# KiCad board Keyboard.kicad_pcb (continued)
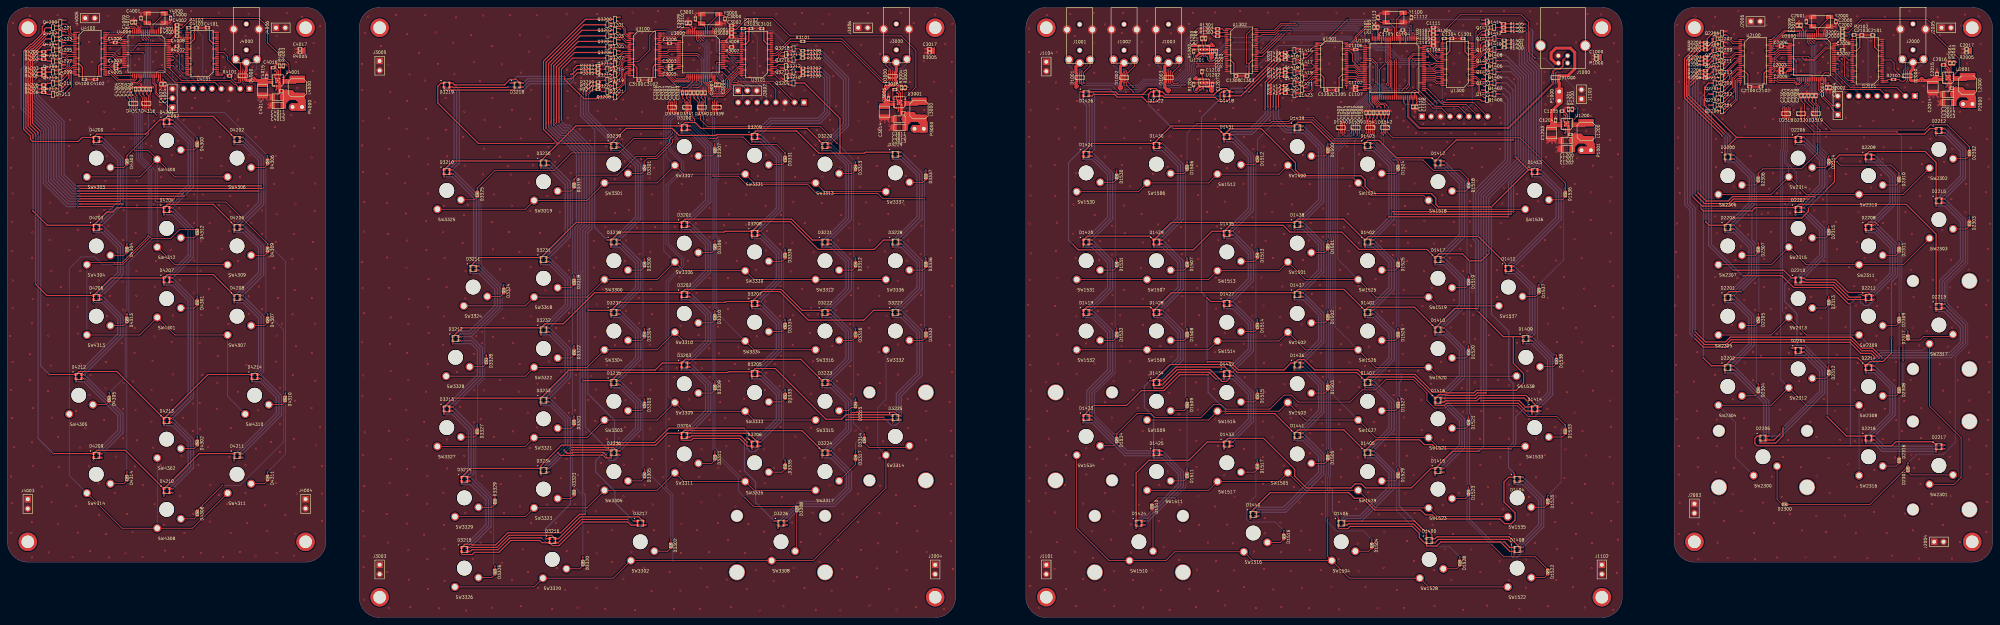
[diagram p0: board, top side]
## Routing (per net, layer and track width the routed paths; a pad name or vN(x,y) marks a point on that pad's centre or on a via; arc(x,y) is an arc through that point) (continued)
  Bottom w0.2: v2(192.05,149.55) 192.05,146.8 193.4,145.45 193.4,142.25 192.65,141.5 192.45,141.5 v2(190.95,140) ; SW3334.1 192.03,81.98 192.03,83.45 191.53,83.95 191.53,100.85 192.12,101.45 192.12,102.45 191.53,103.05 191.53,118.05 192.03,118.55 192.03,129.25 190.9,130.38 v2(190.9,135.9)
/Keyboard-Left/KeyMatrix-Left/KC6: length 226.4
  Top w0.2: U3000.52 v2(191.5,150.05) ; v2(190.4,136.5) 190.4,136.8 190.5,136.9 D3339.6 D3339.5 190.5,139.1 190.4,139.2 v2(190.4,139.5) ; SW3329.1 139.84,27.29 SW3323.1 156.46,29.67 SW3305.1 175.46,34.42 SW3311.1 182.59,36.79 SW3335.1 201.59,34.42 SW3317.1
  Bottom w0.2: v2(191.5,150.05) 191.5,146.6 192.9,145.2 192.9,142.55 192.35,142 192.15,142 190.4,140.25 v2(190.4,139.5) ; v2(190.4,136.5) 190.4,130.18 191.53,129.05 191.53,118.75 191.03,118.25 191.03,102.75 191.62,102.15 191.62,101.75 191.03,101.15 191.03,83.75 191.53,83.25 191.53,82.65 191.03,82.15 191.03,64.75 191.53,64.25 191.53,63.65 191.03,63.15 191.03,45.85 191.62,45.25 191.62,44.38 SW3335.1
/Keyboard-Left/KeyMatrix-Left/KR1: length 159.4
  Top w0.2: v2(188,156.65) 187.5,157.15 U3000.8 ; 188.35,141.35 v2(188.35,140.55) 188.5,140.4 D3340.6 D3340.5 188.5,137 188.6,136.9 v2(188.6,136.5) ; v2(172,40.15) D3305.1 ; v2(179.12,21.18) D3302.1 ; v2(172,78.15) D3304.1 ; D3301.1 v2(172,123.35) 172.8,124.15 175.32,124.15 179.57,128.4 v2(179.57,129.18) ; v2(172,97.15) D3300.1 ; v2(172,59.15) D3303.1
  Bottom w0.2: v2(188.35,140.55) 189.7,141.9 189.7,144.5 189.5,144.7 189.5,151.57 189.5,155.15 v2(188,156.65) ; v2(179.57,129.18) 179.68,129.18 180.57,130.07 180.57,130.9 184.72,135.05 187.15,135.05 v2(188.6,136.5) ; v2(172,123.35) 171.6,122.95 171.6,97.55 v2(172,97.15) 171.6,96.75 171.6,78.55 v2(172,78.15) 171.6,77.75 171.6,59.55 v2(172,59.15) 171.6,58.75 171.6,40.55 v2(172,40.15) 179.12,33.03 v2(179.12,21.18)
/Keyboard-Left/KeyMatrix-Left/KR2: length 155.1
  Top w0.2: v2(187.8,156.05) 187,156.85 U3000.9 ; 187.35,141.35 v2(187.35,140.55) 188.1,139.8 188.1,139.3 188,139.2 D3340.7 D3340.4 188,136.8 188.1,136.7 188.1,136.2 188,136.1 v2(188,134.7) ; v2(191,101.95) D3306.1 ; v2(191,63.95) D3309.1 ; D3308.1 201.5,30.04 v2(199.2,32.35) ; D3307.1 v2(191,128.05) ; v2(191,82.95) D3310.1 ; v2(191,44.95) D3311.1
  Bottom w0.2: v2(188,134.7) 188,131.88 191,128.88 v2(191,128.05) 191,119.67 191.12,119.55 191.12,119.05 190.5,118.42 190.5,102.45 v2(191,101.95) 190.5,101.45 190.5,83.45 v2(191,82.95) 190.5,82.45 190.5,64.45 v2(191,63.95) 190.5,63.45 190.5,45.45 v2(191,44.95) 191,44.18 197.32,37.85 197.32,34.22 v2(199.2,32.35) ; v2(187.8,156.05) 189.1,154.75 189.1,151.4 189.1,144.5 189.3,144.3 189.3,142.5 v2(187.35,140.55)
/Keyboard-Left/KeyMatrix-Left/KR3: length 161.4
  Top w0.2: v2(187.15,155.95) 186.5,156.6 U3000.10 ; 186.35,141.35 v2(186.35,140.55) 186.9,140 186.9,139.3 187,139.2 D3340.9 D3340.2 187,136.8 186.9,136.7 186.9,136.2 187.1,136 187.1,134.7 188.95,132.85 219.43,132.85 v2(224.03,128.25) ; v2(229,78.17) D3316.1 ; v2(229,97.17) D3312.1 ; v2(229,44.97) D3317.1 ; D3313.1 v2(229,123.28) ; v2(229,59.18) D3315.1 ; v2(231.38,49.68) D3314.1
  Bottom w0.2: v2(187.15,155.95) 188.7,154.4 188.7,151.05 188.7,144.3 188.9,144.1 188.9,142.75 188.25,142.1 187.9,142.1 v2(186.35,140.55) ; v2(229,44.97) 229,47.3 v2(231.38,49.68) 228.5,52.55 228.5,58.68 v2(229,59.18) 228.5,59.68 228.5,77.67 v2(229,78.17) 228.5,78.67 228.5,96.67 v2(229,97.17) 228.5,97.67 228.5,122.78 v2(229,123.28) v2(224.03,128.25)
/Keyboard-Left/KeyMatrix-Left/KR4: length 178.3
  Top w0.2: v2(186.4,155.95) 186,156.35 U3000.11 ; 185.35,141.35 v2(185.35,140.55) 186.5,139.4 D3340.10 D3340.1 v2(186.5,135.9) ; v2(153,92.45) D3318.1 ; v2(179.57,130.07) 178.78,129.28 178.78,128.4 175.03,124.65 169.72,124.65 164.72,119.65 154.1,119.65 v2(153,118.55) D3319.1 ; v2(155.38,16.43) D3320.1 ; v2(153,54.45) D3321.1 ; v2(153,73.45) D3322.1 ; v2(153,35.45) D3323.1
  Bottom w0.2: v2(185.35,140.55) 187.3,142.5 188.05,142.5 188.45,142.9 188.45,143.9 188.3,144.05 188.3,150.88 188.3,154.05 v2(186.4,155.95) ; v2(179.57,130.07) 180.12,130.62 180.12,131.25 184.43,135.55 186.15,135.55 v2(186.5,135.9) ; v2(155.38,16.43) 155.38,33.07 v2(153,35.45) 152.6,35.85 152.6,54.05 v2(153,54.45) 152.6,54.85 152.6,73.05 v2(153,73.45) 152.6,73.85 152.6,92.05 v2(153,92.45) 152.6,92.85 152.6,118.15 v2(153,118.55)
/Keyboard-Left/KeyMatrix-Left/KR5: length 207.9
  Top w0.2: v2(186.65,152.2) 186.3,152.55 U3000.24 ; 184.35,141.35 v2(184.35,140.55) 184.5,140.4 D3341.6 D3341.5 184.5,137 184.6,136.9 v2(184.6,136.5) ; v2(131.62,33.05) D3329.1 ; v2(179.57,130.97) 178.15,129.55 169.12,129.55 165.22,125.65 152.32,125.65 147.53,120.85 131.57,120.85 v2(126.88,116.15) D3325.1 ; D3326.1 v2(131.62,14.03) ; D3328.1 129.31,71.02 v2(129.3,71.03) ; v2(134,90.05) D3324.1 ; v2(126.88,52.05) D3327.1
  Bottom w0.2: v2(126.88,116.15) 126.88,115.28 127.9,114.25 127.9,95.35 133.2,90.05 133.6,90.05 ; v2(184.35,140.55) 187.9,144.1 187.9,150.95 v2(186.65,152.2) ; v2(184.6,136.5) 179.57,131.47 v2(179.57,130.97) ; 131.2,33.05 130.8,33.05 126.5,37.35 126.5,51.68 v2(126.88,52.05) 126.88,62.72 128.9,64.75 128.9,70.62 v2(129.3,71.03) 128.9,71.42 128.9,78.75 133.6,83.45 133.6,90.05 ; 131.2,33.05 131.2,14.45 v2(131.62,14.03) ; 131.2,33.05 v2(131.62,33.05) ; 133.6,90.05 v2(134,90.05)
/Keyboard-Left/KeyMatrix-Left/KR6: length 145
  Top w0.2: U3000.25 186.05,152.05 v2(186.65,151.45) ; v2(210,99.55) D3330.1 ; D3331.1 v2(210,125.65) 207.7,127.95 200.62,127.95 198.62,129.95 191.82,129.95 191.43,129.55 v2(189.53,129.55) ; v2(210,80.58) D3334.1 ; v2(185.53,134.45) 185.53,134.78 184.1,136.2 184.1,136.7 184,136.8 D3341.4 D3341.7 184,139.2 184.1,139.3 184.1,139.8 v2(183.35,140.55) 183.35,141.35 ; v2(210,61.57) D3333.1 ; v2(210,42.57) D3335.1
  Bottom w0.2: v2(183.35,140.55) 183.63,140.55 187.5,144.42 187.5,150.55 186.65,151.4 v2(186.65,151.45) ; v2(210,42.57) 209.6,42.97 209.6,61.18 v2(210,61.57) 209.6,61.97 209.6,80.17 v2(210,80.58) 209.6,80.97 209.6,99.15 v2(210,99.55) 209.6,99.95 209.6,125.25 v2(210,125.65) ; v2(185.53,134.45) 185.53,133.35 189.32,129.55 v2(189.53,129.55)
/Keyboard-Left/KeyMatrix-Left/KR7: length 139.4
  Top w0.2: U3000.36 185,144.9 183.4,143.3 v2(182.3,143.3) ; C3306.1 v2(182.3,140.55) 182.9,139.95 182.9,139.3 183,139.2 D3341.9 D3341.2 183,136.9 182.9,136.8 182.9,136.2 183.1,136 183.1,135.8 184.45,134.45 v2(184.93,134.45) ; D3337.1 v2(248,120.97) ; v2(248,97.17) D3336.1 ; v2(247.6,113.28) 236.4,113.28 235.02,114.65 218.53,114.65 216.12,117.05 199.62,117.05 197.32,119.35 v2(190.53,119.35) ; v2(248,78.17) D3332.1
  Bottom w0.2: v2(248,78.17) 247.6,78.58 247.6,96.78 v2(248,97.17) 247.6,97.58 v2(247.6,113.28) 247.6,120.58 v2(248,120.97) ; v2(184.93,134.45) 184.93,133.25 190.53,127.65 v2(190.53,119.35) ; v2(182.3,143.3) v2(182.3,140.55)
/Keyboard-Left/LedMatrix-Left/LC1: length 5.8
  Top w0.2: 167.34,157.55 166.95,157.94 166.95,159.24 164.89,161.3 164.5,161.3
  Top w0.25: U3100.2 167.34,157.55
/Keyboard-Left/LedMatrix-Left/LC1_X3: length 157
  Top w0.3: 148.65,128.12 153.5,132.97 182,132.97 182.9,133.88 185.7,133.88 187.3,132.28 215.95,132.28 D3220.1 ; 148.65,128.12 144.72,132.05 144.72,150.43 156.1,161.8 Q3200.3 ; 148.65,128.12 D3230.1 120.25,123.47 D3210.1
/Keyboard-Left/LedMatrix-Left/LC2: length 7.1
  Top w0.2: U3100.3 167.2,157.05 166.5,157.75 166.5,159.05 165.75,159.8 162.75,159.8
/Keyboard-Left/LedMatrix-Left/LC2_X3: length 170.2
  Top w0.3: v1(145.43,132.35) 145.43,150.12 155.6,160.3 Q3201.3 ; D3221.1 217.38,102.1 211.72,107.75 182.9,107.75 D3201.1 153.5,106.85 D3231.1 127.38,97.35 D3211.1
  Bottom w0.3: v1(153.53,106.85) 153.62,106.95 153.62,125.35 150.03,128.95 148.82,128.95 v1(145.43,132.35)
/Keyboard-Left/LedMatrix-Left/LC3: length 3.9
  Top w0.2: 164.95,158.3 167.2,156.05 U3100.5
/Keyboard-Left/LedMatrix-Left/LC3_X4: length 200.5
  Top w0.3: Q3202.3 155.1,158.8 146.12,149.82 v1(146.12,133.05) ; D3222.1 214.57,83.1 208.93,88.75 182.9,88.75 D3202.1 158.53,87.85 150.12,79.45 145.1,79.45 D3232.1 122.62,78.35 D3212.1
  Bottom w0.3: v1(146.12,133.05) 146.12,132.65 149.12,129.65 150.32,129.65 154.32,125.65 154.32,106.65 153.22,105.55 153.22,93.15 153.62,92.75 153.62,92.15 153.22,91.75 v1(153.22,82.55)
/Keyboard-Left/LedMatrix-Left/LC4: length 5.7
  Top w0.2: U3100.6 167,155.55 165.75,156.8 162.75,156.8
/Keyboard-Left/LedMatrix-Left/LC4_X5: length 215
  Top w0.3: D3213.1 120.25,59.35 D3233.1 151.6,66.95 174.93,66.95 176.82,68.85 D3203.1 183,69.85 214.25,69.85 D3223.1 ; Q3203.3 154.6,157.3 146.82,149.53 v1(146.82,133.65)
  Bottom w0.3: v1(153.93,66.95) 153.93,91.55 154.22,91.85 154.22,93.05 153.93,93.35 153.93,105.25 155.03,106.35 155.03,125.95 150.62,130.35 149.43,130.35 146.82,132.95 v1(146.82,133.65)
/Keyboard-Left/LedMatrix-Left/LC5: length 3.5
  Top w0.2: U3100.8 167,154.55 166.25,155.3 164.75,155.3
/Keyboard-Left/LedMatrix-Left/LC5_X6: length 231.2
  Top w0.3: D3224.1 214.55,50.55 185.03,50.55 184.93,50.65 182.8,50.65 D3204.1 178.22,49.85 175.03,46.65 149.62,46.65 144,41.03 D3234.1 125,40.35 D3214.1 ; v1(147.53,133.25) 147.53,149.22 154.1,155.8 Q3204.3
  Bottom w0.3: v1(154.62,46.65) 154.62,91.35 154.82,91.55 154.82,93.35 154.62,93.55 154.62,104.95 155.72,106.05 155.72,126.25 150.93,131.05 149.72,131.05 v1(147.53,133.25)
/Keyboard-Left/LedMatrix-Left/LC6: length 5.4
  Top w0.2: Q3205.1 163.75,153.8 164,154.05 U3100.9
/Keyboard-Left/LedMatrix-Left/LC6_X7: length 269.8
  Top w0.3: v1(148.22,133.65) 148.22,148.93 153.6,154.3 Q3205.3 ; D3215.1 123.5,19.85 125.43,19.85 125.62,19.65 131.82,19.65 135.12,22.95 149.43,22.95 154.43,27.95 v1(156.03,27.95) ; D3225.1 238.75,54.85 226.43,54.85 225.22,53.65 221.03,53.65 207.32,67.35 201.88,67.35 D3205.1 194.65,66.47 194.43,66.25 165.15,66.25 D3235.1 v1(155.32,64.1)
  Bottom w0.3: v1(148.22,133.65) 148.22,133.55 150.03,131.75 151.22,131.75 156.43,126.55 156.43,105.75 155.32,104.65 155.32,93.75 155.43,93.65 155.43,91.25 155.32,91.15 155.32,33.95 156.03,33.25 v1(156.03,27.95)
/Keyboard-Left/LedMatrix-Left/LC7: length 3.6
  Top w0.2: Q3206.1 165.45,152.3 166.2,153.05 U3100.11
/Keyboard-Left/LedMatrix-Left/LC7_X8: length 236.4
  Top w0.3: v1(148.93,134.05) 148.93,148.62 153.1,152.8 Q3206.3 ; D3206.1 199.97,48.5 v1(199.7,48.5) ; v1(163.22,47.35) 174.72,47.35 178.62,51.25 v1(198.82,51.25) ; D3226.1 v1(207.07,26.1) ; D3236.1 162.75,45.35 v1(161.72,45.35) 152.22,45.35 v1(152.03,45.15) ; D3216.1 v1(145.32,21.35)
  Bottom w0.3: v1(198.82,51.25) 199.7,50.38 v1(199.7,48.5) 198.99,47.79 198.99,39.69 202.03,36.65 202.03,31.15 v1(207.07,26.1) ; 161.72,45.85 v1(161.72,45.35) ; 161.72,45.85 v1(163.22,47.35) ; 161.72,45.85 156.03,51.55 156.03,104.35 157.12,105.45 157.12,126.85 151.53,132.45 150.32,132.45 148.93,133.85 v1(148.93,134.05) ; v1(145.32,21.35) 145.32,24.05 152.03,30.75 v1(152.03,45.15)
/Keyboard-Left/LedMatrix-Left/LC8: length 6
  Top w0.2: U3100.12 166.3,152.55 164.95,151.2 163.05,151.2 Q3207.1
/Keyboard-Left/LedMatrix-Left/LC8_X9: length 239.4
  Top w0.3: D3217.1 v1(169.07,26.1) ; Q3207.3 152.6,151.3 149.6,148.3 149.6,134.47 v1(149.62,134.45) ; v1(156.72,83.1) D3237.1 165.15,85.25 193.82,85.25 194.05,85.47 D3207.1 203.68,88.15 208.53,88.15 216.22,80.45 231.23,80.45 233.88,83.1 D3227.1
  Bottom w0.3: v1(169.07,26.1) 164.03,31.15 164.03,34.15 158.82,39.35 158.82,42.45 160.93,44.55 162.03,44.55 163.93,46.45 163.93,53.35 156.72,60.55 v1(156.72,83.1) 156.72,104.05 157.82,105.15 157.82,127.15 151.82,133.15 150.62,133.15 149.62,134.15 v1(149.62,134.45)
/Keyboard-Left/LedMatrix-Left/LC9: length 8.6
  Top w0.2: U3100.23 167.2,147.05 166.95,146.8 166.95,142.6 164.65,140.3 Q3208.1
/Keyboard-Left/LedMatrix-Left/LC9_X10: length 157.8
  Top w0.3: D3228.1 236.57,102.1 234.02,99.55 218.93,99.55 211.43,107.05 203.57,107.05 D3208.1 193.75,104.47 193.53,104.25 165.15,104.25 D3238.1 v1(161.97,102.1) ; v1(135.82,144.55) D3218.1 ; v1(150.43,146.35) 150.43,145.57 v1(154.79,141.21) 155.7,140.3 158.95,140.3 159.45,140.8 Q3208.3
  Bottom w0.3: v1(161.97,102.1) 158.57,105.5 158.57,131.9 154.79,135.69 v1(154.79,141.21) ; v1(135.82,144.55) 137.62,146.35 v1(150.43,146.35)
/Keyboard-Left/LedMatrix-Left/LC10: length 6.1
  Top w0.2: Q3209.1 209,145.05 207,147.05 U3101.2
/Keyboard-Left/LedMatrix-Left/LC10_X3: length 164.7
  Top w0.3: 224.8,125.58 219.1,125.58 213.1,131.57 201.97,131.57 D3209.1 191.53,130.6 191.3,130.38 181.38,130.38 179.47,132.28 167.05,132.28 D3239.1 v1(149.8,128.22) ; 224.8,125.58 224.8,134.97 215.22,144.55 Q3209.3 ; 224.8,125.58 231.4,125.58 231.68,125.85 D3229.1 ; D3219.1 117.07,144.55 116.2,143.68 116.2,139.18 127.15,128.22 v1(147.6,128.22)
  Bottom w0.3: v1(149.8,128.22) v1(147.6,128.22)
/Keyboard-Left/LedMatrix-Left/LR1: length 3.7
  Top w0.2: U3101.3 208.6,147.55 Q3210.1
/Keyboard-Left/LedMatrix-Left/LR1_X3: length 286.9
  Top w0.3: v1(182,104.95) D3201.4 ; v1(182,85.95) D3202.4 ; v1(182,66.95) D3203.4 ; D3204.4 v1(182,47.95) 184.6,47.95 185.1,48.45 197.7,48.45 199.78,46.38 D3206.4 v1(201,45.57) ; v1(201,83.58) D3207.4 ; v1(182,131.07) D3200.4 ; v1(201,128.7) D3209.4 ; v1(201,64.58) D3205.4 ; v1(201,102.58) D3208.4 ; R3200.1 v1(219.8,146.55)
  Bottom w0.3: v1(182,47.95) 182,49.55 188.5,56.05 188.5,62.75 184.3,66.95 v1(182,66.95) 182,68.55 188.5,75.05 188.5,81.75 184.3,85.95 v1(182,85.95) 182,87.45 188.5,93.95 188.5,100.75 184.3,104.95 v1(182,104.95) 182,106.45 188.5,112.95 188.5,126.9 184.32,131.07 v1(182,131.07) ; v1(201,45.57) 201,47.15 207.6,53.75 207.6,60.25 203.28,64.58 v1(201,64.58) 201,66.15 207.6,72.75 207.6,79.25 203.28,83.58 v1(201,83.58) 201,85.15 207.6,91.75 207.6,98.25 203.28,102.58 v1(201,102.58) 201,104.15 207.6,110.75 207.6,124.35 203.25,128.7 v1(201,128.7) 201,130.22 205.82,135.05 218.82,135.05 220.62,136.85 220.62,145.72 v1(219.8,146.55)
/Keyboard-Left/LedMatrix-Left/LR2: length 5.5
  Top w0.2: U3101.5 207.6,148.55 208.1,148.05 Q3211.1
/Keyboard-Left/LedMatrix-Left/LR2_X3: length 273.9
  Top w0.3: D3205.3 v1(203.35,65.38) ; D3208.3 v1(203.35,103.38) ; D3200.3 v1(184.35,131.88) ; R3201.1 v1(219.8,147.55) ; D3209.3 v1(203.35,129.5) ; D3207.3 v1(203.35,84.38) ; D3202.3 v1(184.35,86.75) ; D3206.3 v1(203.35,46.38) ; D3204.3 v1(184.35,48.75) 184.75,49.15 198,49.15 199.7,47.45 v1(199.7,47.35) ; D3201.3 v1(184.35,105.75) ; D3203.3 v1(184.35,67.75)
  Bottom w0.3: v1(184.35,131.88) 184.47,131.88 189.2,127.15 189.2,112.65 183.6,107.05 183.6,106.5 v1(184.35,105.75) 184.5,105.75 189.2,101.05 189.2,93.65 183.6,88.05 183.6,87.5 v1(184.35,86.75) 184.5,86.75 189.2,82.05 189.2,74.75 183.6,69.15 183.6,68.5 v1(184.35,67.75) 184.5,67.75 189.2,63.05 189.2,55.75 183.7,50.25 183.7,49.4 v1(184.35,48.75) ; v1(219.8,147.55) 221.32,146.03 221.32,136.55 219.12,134.35 206.12,134.35 202.62,130.85 202.62,130.22 v1(203.35,129.5) 203.45,129.5 208.3,124.65 208.3,110.45 202.7,104.85 202.7,104.03 v1(203.35,103.38) 203.47,103.38 208.3,98.55 208.3,91.45 202.7,85.85 202.7,85.03 v1(203.35,84.38) 203.47,84.38 208.3,79.55 208.3,72.45 202.6,66.75 202.6,66.12 v1(203.35,65.38) 203.47,65.38 208.3,60.55 208.3,53.45 202.6,47.75 202.6,47.12 v1(203.35,46.38) 201.93,44.95 200.5,44.95 199.7,45.75 v1(199.7,47.35)
/Keyboard-Left/LedMatrix-Left/LR3: length 3.5
  Top w0.2: U3101.6 207.6,149.05 208.1,149.55 Q3212.1
/Keyboard-Left/LedMatrix-Left/LR3_X3: length 269.7
  Top w0.3: v1(203.35,104.47) D3208.2 ; v1(184.35,132.97) 183.5,132.97 ; v1(219.8,148.55) R3202.1 ; v1(184.35,106.85) D3201.2 ; v1(203.35,130.6) D3209.2 ; v1(184.35,87.85) D3202.2 ; v1(203.35,66.47) D3205.2 ; v1(184.35,68.85) D3203.2 ; D3204.2 v1(184.35,49.85) 200.12,49.85 D3206.2 v1(203.35,47.47) ; v1(203.35,85.47) D3207.2
  Bottom w0.3: v1(219.8,148.55) 222.03,146.32 222.03,136.25 219.43,133.65 206.4,133.65 v1(203.35,130.6) 209,124.95 209,110.12 v1(203.35,104.47) 209,98.83 209,91.12 v1(203.35,85.47) 209,79.83 209,72.12 v1(203.35,66.47) 209,60.82 209,53.12 v1(203.35,47.47) ; v1(184.35,132.97) 189.9,127.42 189.9,112.4 v1(184.35,106.85) 189.9,101.3 189.9,93.4 v1(184.35,87.85) 189.9,82.3 189.9,74.4 v1(184.35,68.85) 189.9,63.3 189.9,55.4 v1(184.35,49.85)
/Keyboard-Left/LedMatrix-Left/LR4: length 4.9
  Top w0.2: Q3213.1 164.95,149.3 165.35,149.7 165.35,150.4 167,152.05 U3100.13
/Keyboard-Left/LedMatrix-Left/LR4_X3: length 270.1
  Top w0.3: v1(120.25,74.08) D3212.4 ; v1(117.88,55.07) D3213.4 ; D3218.4 v1(136.88,142.65) v1(117.88,142.65) D3219.4 ; v1(125,93.08) D3211.4 ; R3203.1 153.78,149.3 v1(152.82,148.35) ; D3215.4 v1(122.62,17.07) 122.65,17.05 125.5,17.05 126.1,17.65 132.7,17.65 135.9,20.85 143.7,20.85 144.3,20.25 D3216.4 147.18,19.45 148.9,19.45 155.3,25.85 167.5,25.85 168.35,25 D3217.4 ; v1(117.88,119.2) D3210.4 ; v1(122.62,36.07) D3214.4
  Bottom w0.3: v1(152.82,148.35) 152.82,145.15 152.03,144.35 141.12,144.35 139.43,142.65 v1(136.88,142.65) ; v1(117.88,142.65) 119.9,142.65 120.6,141.95 120.6,123.45 117.88,120.72 v1(117.88,119.2) 120.15,119.2 125.9,113.45 125.9,95.25 125,94.35 v1(125,93.08) 127.28,93.08 131.6,88.75 131.6,84.35 124.7,77.45 122,77.45 120.25,75.7 v1(120.25,74.08) 125.18,74.08 126.9,72.35 126.9,65.65 117.88,56.62 v1(117.88,55.07) 119.97,55.07 124.5,50.55 124.5,39.55 122.62,37.68 v1(122.62,36.07) 124.88,36.07 129.2,31.75 129.2,25.15 122.62,18.57 v1(122.62,17.07)
/Keyboard-Left/LedMatrix-Left/LR5: length 7.3
  Top w0.2: U3100.14 167.1,151.55 165.75,150.2 165.75,149.4 164.65,148.3 163.45,148.3 162.95,147.8 Q3214.1
/Keyboard-Left/LedMatrix-Left/LR5_X3: length 256.3
  Top w0.3: D3218.3 v1(139.22,143.45) ; D3211.3 v1(127.35,93.88) ; R3204.1 153.88,148.3 152.53,146.95 v1(152.12,146.95) ; D3217.3 v1(172.47,25) ; D3210.3 v1(120.22,120) ; D3212.3 v1(122.6,74.88) ; D3215.3 v1(124.97,17.88) 125.45,18.35 132.4,18.35 135.6,21.55 v1(144.2,21.55) ; v1(135.1,143.45) 135,143.35 120.32,143.35 v1(120.22,143.45) D3219.3 ; D3214.3 v1(124.97,36.88) ; D3213.3 v1(120.22,55.88) ; D3216.3 v1(148.72,20.25) 155.03,26.55 v1(167.6,26.55)
  Bottom w0.3: v1(135.1,143.45) v1(139.22,143.45) 140.82,145.05 151.72,145.05 152.12,145.45 v1(152.12,146.95) ; v1(172.47,25) 169.18,25 167.62,26.55 v1(167.6,26.55) ; v1(148.72,20.25) 145.5,20.25 v1(144.2,21.55) ; v1(124.97,17.88) 124.2,18.65 124.2,19.15 129.9,24.85 129.9,32.05 125.07,36.88 v1(124.97,36.88) 124.2,37.65 124.2,38.25 125.2,39.25 125.2,50.9 v1(120.22,55.88) 119.5,56.6 119.5,57.25 127.6,65.35 127.6,72.65 125.38,74.88 v1(122.6,74.88) 121.9,75.58 121.9,76.35 122.3,76.75 125,76.75 132.3,84.05 132.3,89.05 127.47,93.88 v1(127.35,93.88) 126.6,94.62 126.6,113.75 120.35,120 v1(120.22,120) 119.5,120.72 119.5,121.35 121.3,123.15 121.3,142.38 v1(120.22,143.45)
/Keyboard-Left/LedMatrix-Left/LR6: length 6.3
  Top w0.2: Q3215.1 165.35,147 165.35,148.3 166.15,149.1 166.15,149.95 166.75,150.55 U3100.16
/Keyboard-Left/LedMatrix-Left/LR6_X3: length 248.6
  Top w0.3: v1(127.35,94.97) D3211.2 ; D3215.2 v1(124.97,18.97) 132.12,18.97 135.4,22.25 146.97,22.25 D3216.2 148.8,21.35 154.7,27.25 170.47,27.25 D3217.2 ; v1(139.22,144.55) D3218.2 137.38,145.55 135.7,145.55 134.2,144.05 120.72,144.05 v1(120.22,144.55) D3219.2 ; v1(122.6,75.97) D3212.2 ; R3205.1 153.9,147.3 152.3,145.7 v1(151.32,145.7) ; v1(120.22,121.1) D3210.2 ; v1(120.22,56.97) D3213.2 ; v1(124.97,37.97) D3214.2
  Bottom w0.3: v1(139.22,144.55) 139.32,144.55 140.47,145.7 v1(151.32,145.7) ; v1(120.22,144.55) 122,142.78 122,122.88 v1(120.22,121.1) 127.3,114.03 127.3,95.03 v1(127.35,94.97) 133,89.33 133,83.75 125.22,75.97 ; 125.22,75.97 v1(122.6,75.97) ; 125.22,75.97 128.3,72.9 128.3,65.05 v1(120.22,56.97) 125.9,51.3 125.9,38.9 v1(124.97,37.97) 130.6,32.35 130.6,24.6 v1(124.97,18.97)
/Keyboard-Left/LedMatrix-Left/LR7: length 5.8
  Top w0.2: Q3216.1 209.15,151.3 207.9,150.05 U3101.8
/Keyboard-Left/LedMatrix-Left/LR7_X3: length 292.1
  Top w0.3: v1(208.12,24.2) D3226.4 ; v1(220,62.2) D3223.4 ; v1(220,100.2) D3221.4 ; v1(239,100.2) D3228.4 ; v1(239,123.95) D3229.4 ; v1(239,52.7) D3225.4 226.45,53.5 v1(226.4,53.45) ; v1(220,43.2) D3224.4 ; v1(220,81.2) D3222.4 ; v1(239,81.2) D3227.4 ; 215.2,151.3 219.75,151.3 ; v1(220,126.33) D3220.4
  Bottom w0.3: v1(219.8,151.3) 225.72,145.38 225.72,133.55 220,127.83 v1(220,126.33) 222.43,126.33 226.4,122.35 226.4,108.15 220,101.75 v1(220,100.2) 222.25,100.2 226.4,96.05 226.4,89.15 220,82.75 v1(220,81.2) 222.25,81.2 226.4,77.05 226.4,70.15 220,63.75 v1(220,62.2) 222.25,62.2 226.4,58.05 v1(226.4,53.45) 226.4,51.15 220,44.75 v1(220,43.2) 222.25,43.2 226.5,38.95 226.5,35.25 222.7,31.45 213.8,31.45 208.12,25.78 v1(208.12,24.2) ; v1(239,52.7) 240,53.7 240,60.55 245.6,66.15 245.6,76.85 241.25,81.2 v1(239,81.2) 239,82.75 245.6,89.35 245.6,95.85 241.25,100.2 v1(239,100.2) 239,101.85 245.6,108.45 245.6,119.55 241.2,123.95 v1(239,123.95)
/Keyboard-Left/LedMatrix-Left/LR8: length 4.6
  Top w0.2: U3101.9 207.35,150.55 208.25,151.45 208.25,152 209.05,152.8 Q3217.1
/Keyboard-Left/LedMatrix-Left/LR8_X3: length 280
  Top w0.3: D3224.3 v1(222.35,44) ; D3228.3 v1(241.35,101) ; D3223.3 v1(222.35,63) ; 215.2,152.3 v1(219.8,152.3) ; D3222.3 v1(222.35,82) ; D3229.3 v1(241.35,124.75) ; D3226.3 v1(210.47,25) ; D3220.3 v1(222.35,127.12) ; D3227.3 v1(241.35,82) ; D3221.3 v1(222.35,101) ; D3225.3 v1(241.35,53.5) ; v1(236.52,54.15) v1(227.1,54.15)
  Bottom w0.3: v1(210.47,25) 209.7,25.78 209.7,26.35 214.1,30.75 223,30.75 227.2,34.95 227.2,39.25 222.45,44 v1(222.35,44) 221.6,44.75 221.6,45.35 227.1,50.85 v1(227.1,54.15) 227.1,58.35 222.45,63 v1(222.35,63) 221.6,63.75 221.6,64.35 227.1,69.85 227.1,77.35 222.45,82 v1(222.35,82) 221.6,82.75 221.6,83.35 227.1,88.85 227.1,96.35 222.45,101 v1(222.35,101) 221.6,101.75 221.6,102.35 227.1,107.85 227.1,122.55 222.53,127.12 v1(222.35,127.12) 221.62,127.85 221.62,128.45 226.4,133.22 226.4,145.7 v1(219.8,152.3) ; v1(236.52,54.15) 236.52,54.12 238.6,52.05 239.9,52.05 v1(241.35,53.5) 240.7,54.15 240.7,60.25 246.3,65.85 246.3,77.15 241.45,82 v1(241.35,82) 240.6,82.75 240.6,83.35 246.3,89.05 246.3,96.15 241.45,101 v1(241.35,101) 240.6,101.75 240.6,102.45 246.3,108.15 246.3,119.8 v1(241.35,124.75)
/Keyboard-Left/LedMatrix-Left/LR9: length 51.9
  Top w0.2: U3100.17 168.75,150.05 169,150.3 170.25,150.3 173.45,153.5 173.45,157.4 174.85,158.8 v2(177.75,158.8) ; v2(210.85,154.3) Q3218.1
  Bottom w0.2: v2(210.85,154.3) 206.45,158.7 201.65,158.7 201.25,159.1 194.15,159.1 193.55,158.5 178.05,158.5 v2(177.75,158.8)
/Keyboard-Left/LedMatrix-Left/LR9_X3: length 276.7
  Top w0.3: v1(241.35,54.6) D3225.2 239.55,55.55 229.2,55.55 229.1,55.45 v1(227.82,55.45) ; v1(210.47,26.1) D3226.2 ; v1(222.35,64.1) D3223.2 ; v1(219.8,153.3) 215.2,153.3 ; v1(222.35,102.1) D3221.2 ; v1(241.35,102.1) D3228.2 ; v1(241.35,125.85) D3229.2 ; v1(222.35,83.1) D3222.2 ; v1(222.35,128.22) D3220.2 ; v1(241.35,83.1) D3227.2 ; v1(222.35,45.1) D3224.2
  Bottom w0.3: v1(241.35,54.6) 241.35,59.9 247,65.55 247,77.45 v1(241.35,83.1) 247,88.75 247,96.45 v1(241.35,102.1) 247,107.75 247,120.2 v1(241.35,125.85) ; v1(210.47,26.1) 214.43,30.05 223.3,30.05 227.9,34.65 227.9,39.55 v1(222.35,45.1) 227.8,50.55 227.8,55.43 v1(227.82,55.45) 227.8,55.47 227.8,58.65 v1(222.35,64.1) 227.8,69.55 227.8,77.65 v1(222.35,83.1) 227.9,88.65 227.9,96.55 v1(222.35,102.1) 227.9,107.65 227.9,122.67 v1(222.35,128.22) 227.1,132.97 227.1,146 v1(219.8,153.3)
/Keyboard-Left/LedMatrix-Left/LR10: length 8.1
  Top w0.2: Q3219.1 162.95,144.8 163.45,145.3 164.85,145.3 165.75,146.2 165.75,147.9 166.9,149.05 U3100.19
/Keyboard-Left/LedMatrix-Left/LR10_X3: length 267.4
  Top w0.3: R3209.1 157.5,144.8 155.5,142.8 v1(155.5,141.7) ; v1(144,57.45) D3233.4 ; v1(144,121.58) D3230.4 ; v1(163,100.2) D3238.4 ; v1(163,81.2) D3237.4 ; v1(144,38.45) D3234.4 ; D3236.4 v1(163,43.2) 161.47,43.2 160.72,43.95 152.93,43.95 152.82,43.85 149.3,43.85 v1(148.6,44.55) ; v1(144,95.45) D3231.4 ; v1(163,62.2) D3235.4 ; v1(144,76.45) D3232.4 ; v1(163,126.33) D3239.4
  Bottom w0.3: v1(144,38.45) 144,39.95 v1(148.6,44.55) 150.6,46.55 150.6,53.15 146.3,57.45 v1(144,57.45) 144,59.05 150.6,65.65 150.6,72.15 146.3,76.45 v1(144,76.45) 144,78.05 150.6,84.65 150.6,91.15 146.3,95.45 v1(144,95.45) 144,97.05 150.6,103.65 150.6,117.05 146.07,121.58 v1(144,121.58) ; v1(155.5,141.7) 155.5,135.97 163,128.47 v1(163,126.33) 165.22,126.33 169.6,121.95 169.6,108.35 163,101.75 v1(163,100.2) 165.25,100.2 169.6,95.85 169.6,89.35 163,82.75 v1(163,81.2) 165.25,81.2 169.6,76.85 169.6,70.35 163,63.75 v1(163,62.2) 165.25,62.2 169.6,57.85 169.6,51.35 163,44.75 v1(163,43.2)
/Keyboard-Left/LedMatrix-Left/LR11: length 7.4
  Top w0.2: Q3220.1 164.95,143.3 166.15,144.5 166.15,147.7 167,148.55 U3100.20
/Keyboard-Left/LedMatrix-Left/LR11_X3: length 252.6
  Top w0.3: D3236.3 v1(165.35,44) ; D3230.3 v1(146.35,122.38) ; v1(156.2,141.2) 156.2,142.3 157.7,143.8 R3210.1 ; v1(161.72,43.85) 160.89,44.69 152.66,44.69 152.43,44.45 151.1,44.45 v1(150.3,45.25) ; D3234.3 v1(146.35,39.25) ; D3238.3 v1(165.35,101) ; D3239.3 v1(165.35,127.12) ; D3237.3 v1(165.35,82) ; D3231.3 v1(146.35,96.25) ; D3233.3 v1(146.35,58.25) ; D3232.3 v1(146.35,77.25) ; D3235.3 v1(165.35,63)
  Bottom w0.3: v1(156.2,141.2) 156.2,136.28 v1(165.35,127.12) 165.43,127.12 170.3,122.25 170.3,108.05 164.6,102.35 164.6,101.75 v1(165.35,101) 165.45,101 170.3,96.15 170.3,89.05 164.6,83.35 164.6,82.75 v1(165.35,82) 165.45,82 170.3,77.15 170.3,70.05 164.6,64.35 164.6,63.75 v1(165.35,63) 165.45,63 170.3,58.15 170.3,51.05 164.6,45.35 164.6,44.75 v1(165.35,44) 163.9,42.55 162.5,42.55 161.72,43.32 v1(161.72,43.85) ; v1(146.35,39.25) 145.6,40 145.6,40.55 v1(150.3,45.25) 151.3,46.25 151.3,53.45 146.5,58.25 v1(146.35,58.25) 145.6,59 145.6,59.65 151.3,65.35 151.3,72.45 146.5,77.25 v1(146.35,77.25) 145.6,78 145.6,78.65 151.3,84.35 151.3,91.45 146.5,96.25 v1(146.35,96.25) 145.6,97 145.6,97.65 151.3,103.35 151.3,117.42 v1(146.35,122.38)
